# Altium PCB PCB1.PcbDoc (part 3 of 3)
Units mm, origin at the board's own origin, x right, y up, seen from the top; angles counter-clockwise.
Board outline 129.78 x 54 mm, 4 copper layers (Top Layer, Mid-Layer 1, Mid-Layer 2, Bottom Layer), stack 0.202 mm thick; 119 components, 96 nets, 472 pads, 1341 vias.
Unrouted connection lines stored in the file: 18.
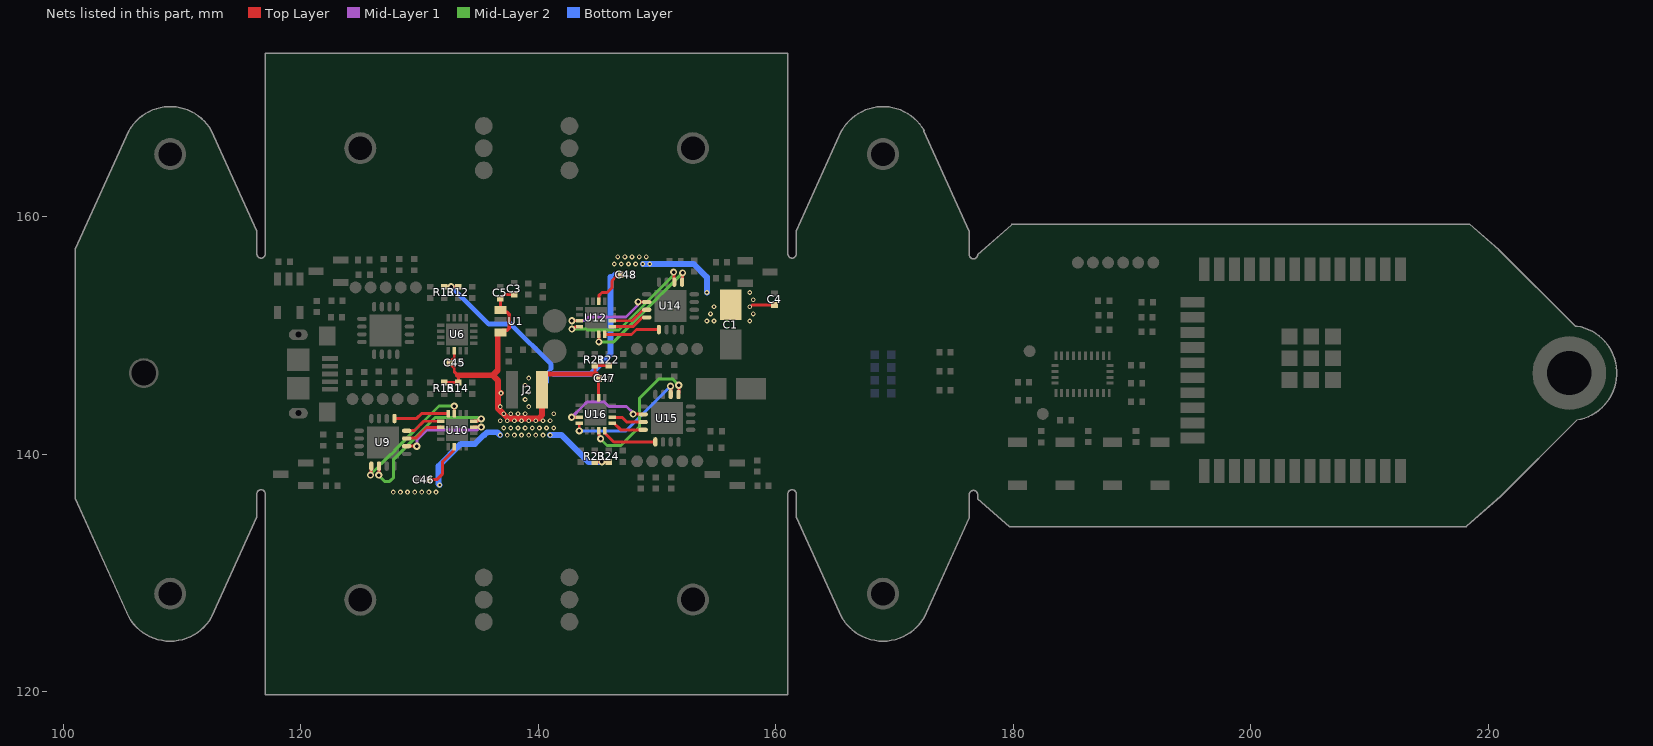
[diagram p5: the nets of this part, all layers, seen from the top]

## Via types
v1: diameter 0.6, hole 0.3, Top Layer to Bottom Layer, tented both sides, 1080 vias
v2: diameter 0.4, hole 0.2, Top Layer to Bottom Layer, tented both sides, 210 vias
v3: diameter 0.5, hole 0.3, Top Layer to Bottom Layer, 32 vias
v4: diameter 0.5, hole 0.3, Top Layer to Bottom Layer, tented both sides, 15 vias
v5: diameter 0.8, hole 0.4, Top Layer to Bottom Layer, tented both sides, 4 vias

## Nets (pads, with @x,y where several pads share a name; then routed paths per layer and width w, separated by ;. In a path a pad name is that pad's centre, name@x,y a point inside that pad or via, vN(x,y) a via of type N, cw(c..) or ccw(c..) an arc to the next point about the centre after c; other vN are vias at no path point) (continued)
NetU9_1: U9.1 U10.15 | length 10.8
  Top Layer w0.25: v1(125.884,138.23) 125.914,138.26 125.914,138.85 U9.1@125.934,138.87 ; U10.15@132.933,143.399 v1(132.933,144.039)
  Mid-Layer 2 w0.25: v1(125.884,138.23) 125.884,138.272 127.597,139.986 127.655,139.986 127.934,140.264 127.934,140.322 131.651,144.039 v1(132.933,144.039)
NetU9_2: U9.2 U10.12 | length 13.4
  Top Layer w0.25: v1(126.584,138.23) U9.2@126.584,138.87 ; U10.12@134.584,142.771 134.602,142.789 134.937,142.789 135.115,142.967 v1(135.209,142.967)
  Mid-Layer 1 w0.25: v1@126.584,138.187 v1(126.584,138.23)
  Mid-Layer 2 w0.25: v1@126.584,138.187 127.066,137.705 127.501,137.705 127.834,138.037 127.834,139.568 131.365,143.099 134.888,143.099 134.953,143.034 135.143,143.034 v1(135.209,142.967)
NetU9_6: U9.6 U10.11 | length 7.8
  Top Layer w0.25: U9.6@129.031,140.678 129.035,140.674 129.767,140.674 v1(129.778,140.662) ; U10.11@134.568,142.264 134.57,142.265 135.208,142.265 v1(135.209,142.267)
  Mid-Layer 1 w0.25: v1(129.778,140.662) 129.79,140.673 129.79,141.191 130.624,142.025 134.872,142.025 135.114,142.267 v1(135.209,142.267)
NetU9_7: U9.7 U10.2@131.798,142.264 | length 3.3
  Top Layer w0.25: U9.7@128.909,141.336 129.696,141.336 130.6,142.239 131.773,142.239 U10.2@131.798,142.264
NetU9_8: U9.8 U10.1@131.798,142.764 | length 3.2
  Top Layer w0.25: U9.8@128.909,141.986 129.596,141.986 130.375,142.764 U10.1@131.798,142.764
NetU9_9: U9.9 U10.16 | length 4.7
  Top Layer w0.25: U9.9@127.884,143.011 129.778,143.011 130.192,143.424 132.408,143.424 U10.16@132.433,143.399
NetU12_1: U12.1 U14.8 | length 3.2
  Top Layer w0.25: U12.1@146.247,150.724 147.987,150.724 148.746,151.484 149.117,151.484 U14.8@149.137,151.503
NetU12_2: U12.2 U14.7 | length 3.3
  Top Layer w0.25: U12.2@146.247,151.224 147.905,151.224 148.815,152.134 149.117,152.134 U14.7@149.137,152.153
NetU12_11: U12.11 U14.6 | length 7.6
  Top Layer w0.25: v1(142.834,151.224) U12.11@143.477,151.224 ; v1(148.412,152.808) 148.415,152.806 149.001,152.806 U14.6@149.004,152.808
  Mid-Layer 1 w0.25: v1@142.834,151.228 v1(142.834,151.224) 143.94,151.224 144.265,151.549 147.401,151.549 148.353,152.502 148.353,152.749 v1(148.412,152.808) v1@148.395,152.826
NetU12_12: U12.12 U14.2 | length 12.2
  Top Layer w0.25: v1(142.836,150.522) 142.93,150.522 143.108,150.699 143.443,150.699 U12.12@143.461,150.717 ; v1(151.402,155.318) 151.442,155.278 151.442,154.638 U14.2@151.462,154.619
  Mid-Layer 2 w0.25: v1(142.836,150.522) 144.043,150.522 144.115,150.449 146.796,150.449 151.335,154.989 151.335,155.252 v1(151.402,155.318)
NetU12_15: U12.15 U14.1 | length 10.7
  Top Layer w0.25: v1(145.112,149.449) U12.15@145.112,150.089 ; U14.1@152.112,154.619 152.131,154.638 152.131,155.228 v1(152.162,155.259)
  Mid-Layer 2 w0.25: v1(145.112,149.449) 146.352,149.449 150.112,153.209 ; 150.112,153.225 150.39,153.503 ; 150.406,153.503 v1(152.162,155.259)
NetU12_16: U12.16 U14.9 | length 4.7
  Top Layer w0.25: U12.16@145.612,150.089 145.637,150.064 147.853,150.064 148.267,150.478 U14.9@150.162,150.478
NetU15_1: U15.1 U16.15 | length 12
  Top Layer w0.25: U16.15@145.091,141.82 145.116,141.795 145.116,141.541 145.183,141.474 145.183,141.361 v1(145.25,141.294) ; v1(151.833,145.796) 151.835,145.794 151.835,145.164 U15.1@151.837,145.162
  Mid-Layer 2 w0.25: v1(145.25,141.294) 145.25,141.269 145.803,140.716 146.957,140.716 148.517,142.276 148.517,144.676 150.174,146.333 151.295,146.333 v1(151.833,145.796)
NetU15_2: U15.2 U16.12 | length 10.4
  Top Layer w0.25: v1(143.456,141.956) U16.12@143.456,142.596 ; v1(151.138,145.711) 151.168,145.681 151.168,145.181 U15.2@151.187,145.162
  Bottom Layer w0.25: v1(143.456,141.956) 147.383,141.956 v1(151.138,145.711)
NetU15_6: U15.6 U16.11 | length 7.6
  Top Layer w0.25: v1(142.816,143.096) U16.11@143.456,143.096 ; v1(147.992,143.369) 148.004,143.358 148.735,143.358 U15.6@148.739,143.354
  Mid-Layer 1 w0.25: v1(142.816,143.096) 143.733,144.013 143.736,144.013 144.094,144.371 145.587,144.371 145.945,144.013 147.44,144.013 147.992,143.461 v1(147.992,143.369)
NetU15_7: U15.7 U16.2@146.226,143.096 | length 2.8
  Top Layer w0.25: U16.2@146.226,143.096 147.054,143.096 147.454,142.696 U15.7@148.862,142.696
NetU15_8: U15.8 U16.1@146.226,142.596 | length 2.9
  Top Layer w0.25: U16.1@146.226,142.596 146.391,142.596 146.941,142.046 U15.8@148.862,142.046
NetU15_9: U15.9 U16.16 | length 5
  Top Layer w0.25: U16.16@145.591,141.961 145.591,141.796 146.366,141.021 149.887,141.021 U15.9@149.887,141.219
VBAT: C1.1 C3.1 C4.1 C5.1 C45.1 C46.1 C47.1 C48.1 J2.1 R12.2 R13.2 R14.2 R15.2 R21.2 R22.2 R23.2 R24.2 U1.1 U1.3 U6.6 U10.6 U12.6 U16.6 | length 94.5
  Top Layer w0.25: C46.1@130.832,137.85 131.463,137.85 131.961,138.348 131.961,139.369 132.808,140.216 ccw(c132.507,140.518) 132.933,140.518 U10.6@132.933,140.629 ; R13.2@132.023,154.083 v1(132.663,154.083) ; R15.2@132.088,146.019 R14.2@133.274,146.019 133.274,146.599 132.933,146.939 132.933,147.239 C45.1@132.519,147.653 ; R13.2@132.088,154.085 R12.2@133.274,154.085 ; C45.1@132.519,147.678 132.519,147.703 132.762,147.946 132.787,147.946 132.933,148.092 U6.6@132.933,148.695 ; U1.1@136.82,152.131 C5.1@136.82,153.107 136.845,153.107 137.174,153.436 C3.1@137.972,153.436 ; J2.1@140.335,145.415 140.335,146.353 J2.1@140.72,146.738 ; 142.815,146.738 142.826,146.749 ; R23.2@144.75,139.341 R24.2@145.936,139.341 ; U16.6@145.091,144.731 145.091,146.58 144.921,146.749 144.771,146.899 R21.2@144.771,147.469 R22.2@145.958,147.469 ; U12.6@145.112,152.859 145.137,152.884 145.137,153.374 145.362,153.599 145.805,153.599 146.202,153.997 146.202,154.585 146.6,154.982 C48.1@146.796,154.982 ; v1(145.361,139.343) R24.2@146.001,139.343 ; v2(157.8,152.4) 157.84,152.4 158.001,152.56 C4.1@159.893,152.56
  Top Layer w0.3: U1.3@136.82,150.231 137.02,150.431 137.391,150.431 137.57,150.611 137.57,151.752 137.391,151.931 137.02,151.931 U1.1@136.82,152.131
  Top Layer w0.4: J2.1@140.72,146.738 142.815,146.738 ; 142.826,146.749 144.921,146.749
  Top Layer w0.5: 133.236,146.636 136.181,146.636 ; U1.3@136.82,150.231 136.695,150.231 136.595,150.131 136.595,147.05 136.181,146.636 ; v2(136.864,145.135) 136.606,145.135 ; J2.1@140.335,145.415 140.335,143.295 140.042,143.002 137.453,143.002 136.606,143.849 136.606,145.135 ; 136.181,146.636 136.606,146.211 136.606,145.135
  Bottom Layer w0.25: v1(132.663,154.083) v1@132.697,154.083 ; 140.783,146.021 140.783,146.907 141.083,147.206 ; 146.1,154.917 146.437,155.254
  Bottom Layer w0.4: v1@132.697,154.083 135.833,150.948 137.703,150.948 141.083,147.569 141.083,147.206
  Bottom Layer w0.5: v2(131.7,137.4) 131.609,137.491 131.609,138.986 133.486,140.864 134.686,140.864 135.439,141.617 135.478,141.617 135.7,141.839 136.56,141.839 v2(136.8,141.6) ; v2(141,141.6) 141.97,141.6 144.227,139.343 v1(145.361,139.343) ; 141.3,146.738 144.419,146.738 146.1,148.419 146.1,154.917 ; v2(148.8,156) v2(149.4,156) 153.092,156 154.2,154.892 v2(154.2,153.6)
  other v2: 127.8,136.8 128.4,136.8 129,136.8 129.6,136.8 130.2,136.8 130.8,136.8 131.4,136.8 137.4,141.6 138,141.6 138.6,141.6 139.2,141.6 139.8,141.6 140.4,141.6 137.1,142.2 137.7,142.2 138.3,142.2 138.9,142.2 139.5,142.2 140.1,142.2 140.7,142.2 141.3,142.2 136.8,142.8 137.4,142.8 138,142.8 138.6,142.8 139.2,142.8 139.8,142.8 140.4,142.8 141,142.8 137.1,143.4 137.7,143.4 138.3,143.4 138.9,143.4 141.3,143.4 136.8,144 139.2,144 138.9,144.6 139.2,145.2 138.9,145.8 139.2,146.4 154.2,151.2 154.8,151.2 157.8,151.2 154.5,151.8 158.1,151.8 154.8,152.4 158.1,153 157.8,153.6 146.4,156 147,156 147.6,156 148.2,156 146.7,156.6 147.3,156.6 147.9,156.6 148.5,156.6 149.1,156.6
pads on no net: J1.4 M1. M2. M3. M4. U3.1 U3.4 U3.7 U3.8 U3.12 U3.13 U3.14 U3.15 U3.16 U3.18 U3.21 U3.22 U3.23 U3.24 U3.27 U4.4 U4.5 U4.6 U4.7 U4.8 U4.9 U4.10 U4.16 U4.17 U4.18 U4.19 U4.20 U4.21 U4.22 U4.28 U4.30 U4.31 U4.32 U4.37 U6.5 U8.4 U8.14 U8.15 U9.4 U9.14 U9.15 U10.5 U12.5 U14.4 U14.14 U14.15 U15.4 U15.14 U15.15 U16.5
copper on no net: | length 34.6
  Top Layer w0.25: 142.633,129.619 142.633,129.958 ; 143.147,138.776 142.2,139.723 142.2,143.223 142.598,143.621 143.431,143.621 143.456,143.596
  Top Layer w0.254: 134.804,163.025 135.444,163.665 135.444,163.83
  Top Layer w0.3: 142.633,129.958 143.147,130.472 143.147,138.776
  Mid-Layer 2 w0.25: 134.908,135.448 134.908,135.549 ; 134.908,138.819 134.908,139.015 ; 144.272,168.325 143.137,167.19 143.137,157.988 143.137,157.949 143.137,157.099 143.137,154.389 144.319,153.207 145.805,153.207

## Polygon pours and split planes (outlines as drawn)
+3.3V on Mid-Layer 2 "NONET_L-01_P-001" (solid, pour order 37): 117.133,157.099 117.023,156.988 117.023,136.449 212.801,136.449 212.852,136.398 212.946,136.492 212.946,157.122
NetM3_3 on Mid-Layer 2 "NONET_L-01_P-001" (solid, pour order 58): 146.247,151.224 146.247,152.224 146.437,152.414 146.437,155.254 149.137,155.254 149.137,152.311 148.097,151.271
GND on Mid-Layer 2 "NONET_L-01_P-001" (solid, pour order 8): 161.15,158.149 161.15,173.873 116.895,173.877 116.895,157.949 132.185,157.949 132.22,157.984 132.22,159.543 132.45,159.543 133.191,160.284 133.212,160.263 145.086,160.263 145.861,159.488 145.861,158.149
GND on Mid-Layer 2 "NONET_L-01_P-001" (solid, pour order 7): 117.023,135.349 117.023,119.626 161.023,119.622 161.023,135.549 145.86,135.549 145.825,135.514 145.825,133.956 145.595,133.956 144.854,133.215 144.833,133.236 132.959,133.236 132.184,134.011 132.184,135.349
NetM2_3 on Mid-Layer 2 "NONET_L-01_P-001" (solid, pour order 55): 131.798,142.264 131.798,140.924 131.798,138.86 129.905,138.86 129.905,141.336 130.808,142.239
NetM4_2 on Mid-Layer 2 "NONET_L-01_P-001" (solid, pour order 47): 145.091,144.371 144.091,144.371 143.816,144.096 141.905,144.096 141.905,146.487 145.091,146.487
NetM1_3 on Mid-Layer 2 "NONET_L-01_P-001" (solid, pour order 39): 129.507,150.863 129.507,146.939 132.633,146.939 132.633,148.505 131.608,149.53 131.608,150.863
no net on Top Paste "NONET_L-01_P-001" (solid): 173.323,148.084 173.323,145.415 cw(c169.023,145.415) 164.724,145.301 164.726,148.246 cw(c169.023,148.084)
GND on Top Layer "NONET_L-01_P-001" (solid, remove dead copper, pour order 36): 117.133,157.099 117.023,156.988 117.023,136.449 212.801,136.449 212.852,136.398 212.946,136.492 212.946,157.122
NetM4_3 on Top Layer "NONET_L-01_P-001" (solid, pour order 52): 148.517,142.563 148.517,145.751 148.117,146.151 145.391,146.151 145.391,144.921 146.966,144.921 146.966,143.096
NetM4_2 on Top Layer "NONET_L-01_P-001" (solid, pour order 51): 145.091,144.731 144.091,144.731 143.456,144.096 141.905,144.096 141.905,146.487 145.091,146.487
+3.3V on Top Layer "NONET_L-01_P-001" (solid, pour order 70): 137.27,152.981 137.27,151.181 140.245,151.181 140.817,151.753 140.817,153.274 140.753,153.274 140.117,153.911 138.222,153.911 138.222,153.261 138.422,153.061
VBAT on Top Layer "NONET_L-01_P-001" (solid, pour order 65): 138.43,147.177 141.762,147.177 141.762,143.846 141.762,140.998 136.327,140.998 136.327,147.177
NetM1_2 on Top Layer "NONET_L-01_P-001" (solid, pour order 41): 133.564,148.695 133.933,148.695 134.568,149.33 136.119,149.33 136.119,146.939 133.564,146.939
GND on Top Layer "NONET_L-01_P-001" (solid, pour order 31): 117.023,135.349 117.023,119.626 161.023,119.622 161.023,135.549 145.86,135.549 145.825,135.514 145.825,133.956 145.595,133.956 144.854,133.215 144.833,133.236 132.959,133.236 132.184,134.011 132.184,135.349
GND on Top Layer "NONET_L-01_P-001" (solid, pour order 32): 161.15,158.149 161.15,173.873 116.895,173.877 116.895,157.949 132.185,157.949 132.22,157.984 132.22,159.543 132.45,159.543 133.191,160.284 133.212,160.263 145.086,160.263 145.861,159.488 145.861,158.149
NetM2_2 on Top Layer "NONET_L-01_P-001" (solid, pour order 54): 135.786,141.739 135.786,139.722 134.908,138.845 134.908,138.524 134.648,138.784 132.254,138.784 132.254,139.524 133.183,140.454 133.183,141.739
VBAT on Top Layer "NONET_L-01_P-001" (solid, pour order 69): 153.924,154.178 154.178,153.924 158.521,153.924 158.521,150.768 157.475,150.768 153.762,150.768
VBAT on Top Layer "NONET_L-01_P-001" (solid, pour order 67): 145.5,154.2 147.012,154.2 147.012,154.806 147.61,155.405 149.7,155.405 149.733,155.372 149.765,155.404 149.765,157.025 145.978,157.025 145.567,156.614 145.567,154.932
VBAT on Top Layer "NONET_L-01_P-001" (solid, pour order 63): 130.357,137.4 131.383,138.524 131.383,140.699 131.608,140.924 133.433,140.924 133.433,140.516 132.143,139.226 132.143,136.452 127.402,136.452 127.402,137.4
NetM2_3 on Top Layer "NONET_L-01_P-001" (solid, pour order 56): 131.798,142.264 131.798,141.264 131.458,140.924 131.458,138.86 129.905,138.86 129.905,141.336 130.808,142.239
NetM3_3 on Top Layer "NONET_L-01_P-001" (solid, pour order 60): 146.258,151.213 146.258,152.213 146.754,152.708 146.754,154.389 148.405,154.389 148.405,151.804 147.855,151.253
NetM3_2 on Top Layer "NONET_L-01_P-001" (solid, pour order 59): 142.259,151.749 142.259,153.95 143.137,154.828 143.137,154.965 143.397,154.705 146.02,154.705 146.02,153.964 144.956,152.9 144.956,151.749
NetM1_3 on Top Layer "NONET_L-01_P-001" (solid, pour order 42): 129.507,150.863 129.507,146.939 132.171,146.939 132.171,148.967 131.608,149.53 131.608,150.33
GND on Mid-Layer 1 "NONET_L-01_P-001" (solid, pour order 35): 117.133,157.099 117.023,156.988 117.023,136.449 212.801,136.449 212.852,136.398 212.946,136.492 212.946,157.122
GND on Mid-Layer 1 "NONET_L-01_P-001" (solid, pour order 30): 161.15,158.149 161.15,173.873 116.895,173.877 116.895,157.949 132.185,157.949 132.22,157.984 132.22,159.543 132.45,159.543 133.191,160.284 133.212,160.263 145.086,160.263 145.861,159.488 145.861,158.149
GND on Mid-Layer 1 "NONET_L-01_P-001" (solid, pour order 29): 117.023,135.349 117.023,119.626 161.023,119.622 161.023,135.549 145.86,135.549 145.825,135.514 145.825,133.956 145.595,133.956 144.854,133.215 144.833,133.236 132.959,133.236 132.184,134.011 132.184,135.349
NetM3_2 on Mid-Layer 1 "NONET_L-01_P-001" (solid, pour order 57): 142.259,151.749 142.259,153.95 143.137,154.828 143.137,154.965 143.397,154.705 145.978,154.705 145.978,153.78 145.112,153.78 145.112,151.749
NetM4_3 on Mid-Layer 1 "NONET_L-01_P-001" (solid, pour order 48): 148.517,142.563 148.517,146.487 145.391,146.487 145.391,144.921 146.416,143.896 146.416,143.096
NetM2_2 on Mid-Layer 1 "NONET_L-01_P-001" (solid, pour order 53): 135.786,141.514 135.786,139.722 134.908,138.845 134.908,138.524 134.648,138.784 132.254,138.784 132.254,139.524 133.183,139.524 133.183,141.514
NetM1_2 on Mid-Layer 1 "NONET_L-01_P-001" (solid, pour order 40): 132.933,148.695 133.933,148.695 134.568,149.33 136.119,149.33 136.119,146.939 132.933,146.939
no net on Bottom Solder "NONET_L-01_P-001" (solid): 221.023,157.049 222.598,155.474 222.598,138.045 222.61,138.033 221.027,136.449 221.023,136.449
GND on Bottom Layer "NONET_L-01_P-001" (solid, remove dead copper, pour order 38): 117.133,157.099 117.023,156.988 117.023,136.449 212.801,136.449 212.852,136.398 212.946,136.492 212.946,157.122
GND on Bottom Layer "NONET_L-01_P-001" (solid, pour order 34): 161.15,158.149 161.15,173.873 116.895,173.877 116.895,157.949 132.185,157.949 132.22,157.984 132.22,159.543 132.45,159.543 133.191,160.284 133.212,160.263 145.086,160.263 145.861,159.488 145.861,158.149
GND on Bottom Layer "NONET_L-01_P-001" (solid, pour order 33): 117.023,135.349 117.023,119.626 161.023,119.622 161.023,135.549 145.86,135.549 145.825,135.514 145.825,133.956 145.595,133.956 144.854,133.215 144.833,133.236 132.959,133.236 132.184,134.011 132.184,135.349
VBAT on Bottom Layer "NONET_L-01_P-001" (solid, pour order 68): 153.762,153.924 154.178,153.924 158.521,153.924 158.521,150.768 157.475,150.768 153.762,150.768
VBAT on Bottom Layer "NONET_L-01_P-001" (solid, pour order 66): 145.5,154.2 147.012,154.2 147.012,154.806 147.61,155.405 149.7,155.405 149.733,155.372 149.765,155.404 149.765,157.025 145.978,157.025 145.567,156.614 145.567,154.932
VBAT on Bottom Layer "NONET_L-01_P-001" (solid, pour order 62): 130.357,137.4 131.383,138.524 132.143,138.524 132.143,136.452 127.402,136.452 127.402,137.4
VBAT on Bottom Layer "NONET_L-01_P-001" (solid, pour order 64): 138.43,147.177 141.762,147.177 141.762,143.846 141.762,140.998 136.327,140.998 136.327,147.177
no net on Top Solder "NONET_L-01_P-001" (solid): 221.023,157.049 222.598,155.474 222.598,138.045 222.61,138.033 221.027,136.449 221.023,136.449

## Keep-outs
Top Layer:
  rectangle: 175.51,143.733 178.522,149.802
  rectangle: 159.51,143.733 162.535,149.766
Bottom Layer:
  rectangle: 175.51,143.733 178.522,149.804
  rectangle: 159.523,143.694 162.535,149.766
Keep-Out Layer:
  lines w0.1: 101.023,156.337 116.443,156.591 ; 116.967,156.661 116.977,151.132 ; 116.992,142.367 117.002,136.754 ; 117.023,136.449 132.185,136.432 ; 117.023,157.099 132.185,157.099 ; 134.185,157.099 135.656,157.099 ; 134.185,136.429 135.533,136.428 ; 137.656,157.099 140.389,157.099 ; 142.389,157.099 143.86,157.099 ; 142.516,136.42 143.86,136.418 ; 145.86,136.416 161.023,136.398 ; 145.86,157.099 161.023,157.099 ; 161.035,156.766 161.074,151.767 ; 161.09,149.767 161.138,143.695 ; 161.154,141.695 161.191,136.948 ; 176.988,136.42 220.819,136.271 ; 177.223,156.991 220.941,157.131 220.895,136.338 ; 222.598,155.474 222.688,138.115 ; 135.657,159.32 cw(c136.657,159.32) 137.657,159.32 ; 135.658,159.32 135.656,157.296 135.655,155.772 ccw(c136.655,155.772) 137.655,155.772 137.656,157.296 137.658,159.32 ; 135.657,159.32 135.658,159.32 ; 137.657,159.32 137.658,159.32 ; 140.39,159.227 cw(c141.39,159.227) 142.39,159.227 ; 140.39,159.227 140.389,157.203 140.388,155.679 ccw(c141.388,155.679) 142.388,155.679 142.389,157.203 142.39,159.227 ; 140.39,159.227 140.39,159.227 ; 142.39,159.227 142.39,159.227 ; 143.862,159.263 cw(c144.862,159.263) 145.862,159.263 ; 143.862,159.263 143.861,157.239 143.859,155.715 ccw(c144.859,155.715) 145.859,155.715 145.861,157.239 145.862,159.263 ; 143.862,159.263 143.862,159.263 ; 145.862,159.263 145.862,159.263 ; 101.023,136.249 105.558,126.249 ccw(c109.023,128.249) 112.487,126.249 112.521,126.312 116.323,134.704 116.323,136.652 cw(c116.673,136.652) 117.023,136.652 117.023,119.749 161.023,119.749 161.023,136.652 cw(c161.373,136.652) 161.723,136.652 161.723,134.706 165.558,126.249 ccw(c169.023,128.249) 172.487,126.249 176.288,134.642 176.288,136.59 cw(c176.638,136.59) 176.988,136.59 176.988,136.249 179.678,133.894 179.657,133.869 218.134,133.869 218.168,133.944 221.023,136.449 227.442,142.869 ccw(c226.798,146.821) 227.445,150.772 227.43,150.772 227.3,150.772 220.865,157.207 218.398,159.367 179.879,159.367 179.845,159.292 176.99,156.787 176.988,156.785 cw(c176.638,156.785) 176.288,156.785 176.288,158.73 172.452,167.187 172.487,167.249 ccw(c169.023,165.249) 165.558,167.249 165.524,167.187 161.723,158.795 161.723,156.847 cw(c161.373,156.847) 161.023,156.847 161.023,173.749 117.023,173.749 117.023,156.847 cw(c116.673,156.847) 116.323,156.847 116.323,158.793 112.487,167.249 ccw(c109.023,165.249) 105.558,167.249 105.524,167.187 101.023,157.249 101.023,136.249 ; 112.522,142.367 112.522,151.132 117.023,151.132 117.023,142.367 112.522,142.367 ; 132.184,134.236 ccw(c133.184,134.236) 134.184,134.236 134.184,134.236 134.185,136.26 134.186,137.784 ccw(c133.186,137.784) 132.186,137.784 132.185,136.26 132.184,134.236 ; 132.184,155.736 ccw(c133.184,155.736) 134.184,155.736 134.185,157.26 134.186,159.284 134.186,159.284 ccw(c133.186,159.284) 132.186,159.284 132.186,159.284 132.185,157.26 132.184,155.736 ; 135.531,133.304 ccw(c136.658,133.304) 136.658,132.176 141.387,132.176 ccw(c141.387,133.304) 142.514,133.304 142.514,134.662 ccw(c142.388,134.679) 142.515,134.678 142.517,137.727 ccw(c141.39,137.727) 141.39,138.854 136.662,138.854 ccw(c136.662,137.727) 135.534,137.727 135.533,136.226 ccw(c135.658,136.203) 135.531,136.203 135.531,133.304 ; 143.859,134.215 ccw(c144.859,134.215) 145.859,134.215 145.859,134.215 145.86,136.239 145.861,137.763 ccw(c144.861,137.763) 143.861,137.763 143.86,136.239 143.859,134.215 ; 159.487,149.768 cw(c159.487,150.768) 159.487,151.768 161.011,151.767 162.535,151.766 cw(c162.535,150.766) 162.535,149.766 161.011,149.767 159.487,149.768 ; 159.523,141.696 cw(c159.523,142.696) 159.523,143.696 161.047,143.695 162.571,143.694 cw(c162.571,142.694) 162.571,141.694 161.047,141.695 159.523,141.696 ; 175.474,149.804 cw(c175.474,150.804) 175.474,151.804 176.998,151.803 178.522,151.802 cw(c178.522,150.802) 178.522,149.802 176.998,149.803 175.474,149.804 ; 175.51,141.733 cw(c175.51,142.733) 175.51,143.733 177.034,143.732 178.558,143.731 cw(c178.558,142.731) 178.558,141.731 177.034,141.732 175.51,141.733 ; 179.033,139.192 cw(c180.333,139.192) 180.333,140.492 cw(c180.333,139.192) 181.633,139.192 cw(c180.333,139.192) 180.333,137.892 cw(c180.333,139.192) 179.033,139.192 ; 183.033,139.192 ccw(c184.333,139.192) 184.333,137.892 ccw(c184.333,139.192) 185.633,139.192 ccw(c184.333,139.192) 184.333,140.492 ccw(c184.333,139.192) 183.033,139.192 ; 187.033,139.192 cw(c188.333,139.192) 188.333,140.492 cw(c188.333,139.192) 189.633,139.192 cw(c188.333,139.192) 188.333,137.892 cw(c188.333,139.192) 187.033,139.192 ; 191.033,139.192 cw(c192.333,139.192) 192.333,140.492 cw(c192.333,139.192) 193.633,139.192 cw(c192.333,139.192) 192.333,137.892 cw(c192.333,139.192) 191.033,139.192 ; 213.772,138.016 220.222,138.016 220.222,156.116 213.772,156.116 213.772,138.016

## Other copper
Top Layer:
  pour cut-out: 212.946,162.049 227.968,162.049 228.092,161.925 227.965,161.798 227.965,128.016 227.838,127.889 215.9,127.889 212.946,127.889
  pour cut-out: 117.023,135.349 117.223,135.549 161.023,135.549 161.023,136.615 160.857,136.449 117.023,136.449
  pour cut-out: 116.895,157.949 117.023,157.822 117.023,135.349 116.195,135.349 116.323,135.477 116.323,157.949
  pour cut-out: 117.13,157.947 117.13,157.118 117.108,157.097 160.884,157.097 160.884,158.128 160.865,158.147
  pour cut-out: 160.823,141.696 160.823,136.615 161.357,137.149 161.809,137.149 161.809,141.684 161.798,141.695
  pour cut-out: 160.909,156.718 160.782,156.591 160.782,151.768 161.771,151.768 161.773,151.766 161.773,156.587
  pour cut-out: 161.832,157.48 162.177,157.48 176.16,157.48 176.16,156.603 176.045,156.718 161.832,156.718
  pour cut-out: 176.236,151.804 177.222,151.804 177.115,151.911 177.115,156.953 176.662,156.953 176.236,156.527
  pour cut-out: 176.272,137.149 176.741,137.149 177.034,136.856 177.034,141.732 176.277,141.732 176.276,141.733 176.272,141.729
  pour cut-out: 161.809,137.149 176.272,137.149 176.272,135.868 176.059,136.082 161.723,136.082
  text "S-BOT" at 111.083,141.986 h3.5 r90
Mid-Layer 1:
  rectangle net GND: 160.285,144.061 161.899,146.177
  rectangle net GND: 160.692,148.246 162.408,149.178
  pour cut-out: 116.895,157.949 117.023,157.822 117.023,135.349 116.195,135.349 116.323,135.477 116.323,157.949
  pour cut-out: 117.155,157.949 117.155,157.121 117.133,157.099 160.909,157.099 160.909,158.13 160.89,158.149
  pour cut-out: 117.023,135.349 117.223,135.549 161.023,135.549 161.023,136.615 160.857,136.449 117.023,136.449
  pour cut-out: 160.823,141.696 160.823,136.615 161.357,137.149 161.809,137.149 161.809,141.684 161.798,141.695
  pour cut-out: 160.909,156.718 160.782,156.591 160.782,151.768 161.771,151.768 161.773,151.766 161.773,156.587
  pour cut-out: 161.832,157.48 162.177,157.48 176.16,157.48 176.16,156.603 176.045,156.718 161.832,156.718
  pour cut-out: 176.236,151.804 177.222,151.804 177.115,151.911 177.115,156.953 176.662,156.953 176.236,156.527
  pour cut-out: 176.272,137.149 176.741,137.149 177.034,136.856 177.034,141.732 176.277,141.732 176.276,141.733 176.272,141.729
  pour cut-out: 161.809,137.149 176.272,137.149 176.272,135.868 176.059,136.082 161.723,136.082
  pour cut-out: 212.946,162.049 227.968,162.049 228.092,161.925 227.965,161.798 227.965,128.016 227.838,127.889 215.9,127.889 212.946,127.889
Mid-Layer 2:
  rectangle net +3.3V: 160.692,144 161.666,147.812
  rectangle net +3.3V: 160.782,148.565 161.9,149.4
  pour cut-out: 161.809,137.149 176.272,137.149 176.272,135.868 176.059,136.082 161.723,136.082
  pour cut-out: 176.272,137.149 176.741,137.149 177.034,136.856 177.034,141.732 176.277,141.732 176.276,141.733 176.272,141.729
  pour cut-out: 176.236,151.804 177.222,151.804 177.115,151.911 177.115,156.953 176.662,156.953 176.236,156.527
  pour cut-out: 161.832,157.48 162.177,157.48 176.16,157.48 176.16,156.603 176.045,156.718 161.832,156.718
  pour cut-out: 160.909,156.718 160.782,156.591 160.782,151.768 161.771,151.768 161.773,151.766 161.773,156.587
  pour cut-out: 160.823,141.696 160.823,136.615 161.357,137.149 161.809,137.149 161.809,141.684 161.798,141.695
  pour cut-out: 117.023,135.349 117.223,135.549 161.023,135.549 161.023,136.615 160.857,136.449 117.023,136.449
  pour cut-out: 117.155,157.949 117.155,157.121 117.133,157.099 160.909,157.099 160.909,158.13 160.89,158.149
  pour cut-out: 116.895,157.949 117.023,157.822 117.023,135.349 116.195,135.349 116.323,135.477 116.323,157.949
  pour cut-out: 212.946,162.049 227.968,162.049 228.092,161.925 227.965,161.798 227.965,128.016 227.838,127.889 215.9,127.889 212.946,127.889
Bottom Layer:
  pour cut-out: 161.832,157.48 162.177,157.48 176.16,157.48 176.16,156.603 176.045,156.718 161.832,156.718
  pour cut-out: 176.236,151.804 177.222,151.804 177.115,151.911 177.115,156.953 176.662,156.953 176.236,156.527
  pour cut-out: 176.272,137.149 176.741,137.149 177.034,136.856 177.034,141.732 176.277,141.732 176.276,141.733 176.272,141.729
  pour cut-out: 161.809,137.149 176.272,137.149 176.272,135.868 176.059,136.082 161.723,136.082
  pour cut-out: 117.023,135.349 117.223,135.549 161.023,135.549 161.023,136.615 160.857,136.449 117.023,136.449
  pour cut-out: 160.823,141.696 160.823,136.615 161.357,137.149 161.809,137.149 161.809,141.684 161.798,141.695
  pour cut-out: 160.909,156.718 160.782,156.591 160.782,151.768 161.771,151.768 161.773,151.766 161.773,156.587
  pour cut-out: 117.155,157.949 117.155,157.121 117.133,157.099 160.909,157.099 160.909,158.13 160.89,158.149
  pour cut-out: 116.895,157.949 117.023,157.822 117.023,135.349 116.195,135.349 116.323,135.477 116.323,157.949
  pour cut-out: 159.523,143.694 162.568,143.694 162.571,143.698 162.535,143.735 162.535,149.766 159.523,149.766
  pour cut-out: 212.946,162.049 227.968,162.049 228.092,161.925 227.965,161.798 227.965,128.016 227.838,127.889 215.9,127.889 212.946,127.889

## Silkscreen, mask and mechanical layers (free items; w line width, h text height)
Top Overlay:
  text "IO0" at 185.024,155.506 h0.8 r270
  text "UTX" at 186.294,155.506 h0.8 r270
  text "URX" at 188.834,155.506 h0.8 r270
  text "GND" at 190.104,155.506 h0.8 r270
  text "3V3" at 191.374,155.506 h0.8 r270
  text "EN" at 187.557,155.36 h0.8 r270
  text "MKII" at 115.57,152.021 h2 r90
  text "SCL" at 179.008,148.155 h0.8
  text "SDA" at 179.816,142.975 h0.8
Bottom Overlay:
  text "MKII" at 121.498,171.851 h2
Top Paste:
  rectangle: 100.122,157.146 177.251,177.019
  rectangle: 99.568,115.98 176.698,135.853
  lines w0.254: 164.723,145.303 164.723,148.084 cw(c169.023,148.084) 173.323,148.084 173.323,145.415 cw(c169.023,145.415) 164.723,145.415
Top Solder:
  drawing of 21 lines, arcs and shapes, not listed
  text "S-BOT" at 177.57,154.918 h2.5
  text "S-BOT" at 111.083,141.982 h3.5 r90
Bottom Solder:
  rectangle: 134.15,133.309 135.534,136.462
  region: 221.023,157.689 177.025,157.689 177.025,156.909 221.023,156.909
  rectangle: 176.988,135.81 220.985,136.59
  rectangle: 175.768,143.77 178.308,149.804
  region: 162.306,149.729 159.766,149.729 159.766,143.694 162.306,143.694
  region: 143.939,160.151 142.432,160.151 142.432,157.099 143.939,157.099
  rectangle: 134.185,157.191 135.657,160.164
  rectangle: 142.477,133.416 143.861,136.373
  rectangle: 116.442,151.132 117.023,156.606
  rectangle: 116.495,136.957 116.999,142.355
  rectangle: 117.037,135.56 132.215,136.303
  rectangle: 145.731,135.621 160.909,136.321
  rectangle: 145.731,157.196 160.909,157.926
  rectangle: 117.037,157.19 132.215,157.883
  region: 116.365,136.932 101.092,136.932 101.092,135.972 116.365,135.972
  rectangle: 101.143,156.591 116.205,157.388
  rectangle: 161.782,156.747 176.205,157.353
  region: 176.365,136.939 161.895,136.939 161.895,136.144 176.365,136.144
  rectangle: 176.541,136.59 176.972,141.695
  rectangle: 176.479,151.803 176.95,156.785
  rectangle: 137.656,157.251 140.388,160.271
  rectangle: 160.983,151.698 161.488,156.679
  rectangle: 161.01,136.589 161.544,141.695
Mechanical 1:
  lines w0.254: 105.524,167.187 101.023,157.249 101.023,136.249 105.558,126.249 ccw(c109.023,128.249) 112.487,126.249 ; 105.558,167.249 cw(c109.023,165.249) 112.487,167.249 116.323,158.793 ; 112.521,126.312 116.323,134.704 116.323,136.652 cw(c116.673,136.652) 117.023,136.652 117.023,119.749 161.023,119.749 161.023,136.652 cw(c161.373,136.652) 161.723,136.652 161.723,134.704 ; 116.323,158.795 116.323,156.847 ccw(c116.673,156.847) 117.023,156.847 ; 132.186,159.284 cw(c133.186,159.284) 134.186,159.284 ; 132.186,159.284 132.185,157.26 132.184,155.736 ccw(c133.184,155.736) 134.184,155.736 134.185,157.26 134.186,159.284 ; 134.184,134.236 134.185,136.26 134.186,137.784 ccw(c133.186,137.784) 132.186,137.784 132.185,136.26 132.184,134.236 ccw(c133.184,134.236) 134.184,134.236 ; 135.658,136.203 135.658,133.304 ccw(c136.658,133.304) 136.658,132.304 141.387,132.304 ccw(c141.387,133.304) 142.387,133.304 142.387,135.553 ; 135.661,136.203 135.662,137.727 cw(c136.662,137.727) 136.662,138.727 141.39,138.727 cw(c141.39,137.727) 142.39,137.727 142.389,136.203 142.388,134.679 ; 145.859,134.215 145.86,136.239 145.861,137.763 ccw(c144.861,137.763) 143.861,137.763 143.86,136.239 143.859,134.215 ccw(c144.859,134.215) 145.859,134.215 ; 145.861,159.263 ccw(c144.861,159.263) 143.861,159.263 143.86,157.239 143.859,155.715 ccw(c144.859,155.715) 145.859,155.715 145.86,157.239 145.862,159.263 ; 161.723,134.706 165.558,126.249 ccw(c169.023,128.249) 172.487,126.249 176.288,134.642 176.288,136.59 cw(c176.638,136.59) 176.988,136.59 176.988,136.249 179.678,133.894 ; 165.524,167.187 161.723,158.795 161.723,156.847 cw(c161.373,156.847) 161.023,156.847 ; 165.558,167.249 cw(c169.023,165.249) 172.487,167.249 ; 172.452,167.187 176.288,158.73 ; 176.288,158.733 176.288,156.785 ccw(c176.638,156.785) 176.988,156.785 ; 176.99,156.787 179.845,159.292 179.879,159.367 218.398,159.367 220.865,157.207 227.3,150.772 227.43,150.772 227.435,150.767 ; 179.657,133.869 218.134,133.869 218.168,133.944 221.023,136.449 227.442,142.869 ccw(c226.798,146.821) 227.445,150.772 ; 221.023,136.454 221.027,136.449 ; 117.023,156.847 117.023,173.749 ; 117.023,156.847 117.023,173.749 ; 117.023,173.749 161.023,173.749 ; 117.023,173.749 161.023,173.749 ; 161.023,156.847 161.023,173.749 ; 161.023,156.847 161.023,173.749 ; 112.522,142.367 112.522,151.132 117.023,151.132 117.023,142.367 112.522,142.367 ; 135.655,155.772 ccw(c136.655,155.772) 137.655,155.772 137.656,157.296 137.658,159.32 ccw(c136.657,159.32) 135.657,159.32 135.656,157.296 135.655,155.772 ; 140.388,155.679 ccw(c141.388,155.679) 142.388,155.679 142.389,157.203 142.39,159.227 ccw(c141.39,159.227) 140.39,159.227 140.389,157.203 140.388,155.679 ; 159.487,149.768 cw(c159.487,150.768) 159.487,151.768 161.011,151.767 162.535,151.766 cw(c162.535,150.766) 162.535,149.766 161.011,149.767 159.487,149.768 ; 159.523,141.696 cw(c159.523,142.696) 159.523,143.696 161.047,143.695 162.571,143.694 cw(c162.571,142.694) 162.571,141.694 161.047,141.695 159.523,141.696 ; 175.474,149.804 cw(c175.474,150.804) 175.474,151.804 176.998,151.803 178.522,151.802 cw(c178.522,150.802) 178.522,149.802 176.998,149.803 175.474,149.804 ; 175.51,141.733 cw(c175.51,142.733) 175.51,143.733 177.034,143.732 178.558,143.731 cw(c178.558,142.731) 178.558,141.731 177.034,141.732 175.51,141.733 ; 213.772,138.016 220.222,138.016 220.222,156.116 213.772,156.116 213.772,138.016
Mechanical 2:
  circle w0.254: c119.808,150.049 r1.077
  circle w0.254: c119.808,143.449 r1.077
  circle w0.254: c169.023,128.253 r1
  circle w0.254: c169.023,165.253 r1
  circle w0.254: c109.023,165.253 r1
  circle w0.254: c109.023,128.253 r1
  circle w0.254: c226.798,146.821 r1.867
  circle w0.254: c192.333,139.192 r1.306
  circle w0.254: c188.333,139.192 r1.306
  circle w0.254: c184.333,139.192 r1.306
  circle w0.254: c180.333,139.192 r1.306
  lines w0.254: 102.257,135.353 115.189,135.353 ; 117.223,136.449 117.223,144.526 117.223,151.132 117.223,157.049 ; 117.223,157.072 132.148,157.072 132.147,155.723 ccw(c133.147,155.723) 133.147,154.723 136.608,154.723 ccw(c136.608,155.723) 137.608,155.723 ; 117.225,136.452 132.143,136.452 132.144,137.764 cw(c133.142,137.819) 133.142,138.819 142.494,138.819 ; 133.441,160.341 ccw(c125.023,165.739) 131.04,173.726 131.154,173.612 146.856,173.612 ccw(c153.023,165.739) 144.618,160.32 133.478,160.32 ; 133.927,132.301 cw(c125.023,127.749) 131.189,119.877 146.891,119.877 147.005,119.763 cw(c153.023,127.749) 144.119,132.302 ; 133.931,132.304 139.023,132.304 ; 137.619,155.759 137.62,157.072 ; 137.642,157.049 139.023,157.049 140.367,157.049 ; 140.389,157.027 140.388,155.679 ccw(c141.388,155.679) 141.442,154.68 144.903,154.68 ccw(c144.903,155.68) 145.901,155.735 145.902,157.047 ; 141.437,138.776 144.898,138.776 cw(c144.898,137.776) 145.898,137.776 145.897,136.427 160.801,136.427 ; 145.924,157.025 160.823,157.025 ; 159.474,143.77 159.474,149.804 cw(c159.474,150.804) 159.474,151.804 160.823,151.804 160.823,157.049 ; 159.51,143.733 ccw(c159.51,142.733) 159.51,141.733 160.823,141.732 160.823,136.449 ; 162.535,149.766 ccw(c162.535,150.766) 162.535,151.766 161.692,151.766 161.692,156.349 176.276,156.349 176.276,151.804 175.474,151.804 ccw(c175.474,150.804) 175.474,149.804 175.474,143.77 ; 162.571,149.729 162.571,143.694 cw(c162.571,142.694) 162.571,141.694 161.798,141.695 161.798,137.149 176.276,137.149 176.276,141.733 175.51,141.733 cw(c175.51,142.733) 175.51,143.733 ; 178.535,149.766 ccw(c178.535,150.766) 178.535,151.766 177.223,151.767 177.223,157.049 220.665,157.049 220.665,136.449 177.223,136.449 177.223,141.695 178.571,141.694 ccw(c178.571,142.694) 178.571,143.694 178.571,149.729 ; 222.754,138.18 227.442,142.869 ccw(c226.798,146.821) 227.445,150.772 ; 222.755,138.181 222.755,155.318 227.3,150.772 227.43,150.772 227.435,150.767 ; 112.487,126.253 cw(c109.023,128.253) 105.558,126.253 101.757,134.708 101.757,135.353 115.189,135.353 ; 112.487,126.253 115.189,132.209 ; 112.487,126.253 115.189,132.209 ; 115.189,132.209 115.189,135.353 ; 115.189,132.209 115.189,135.353 ; 139.023,132.304 144.115,132.304 139.023,132.304 ; 162.687,132.64 165.558,126.253 ; 162.687,132.64 165.558,126.253 ; 162.687,132.64 162.687,135.853 ; 162.687,132.64 162.687,135.853 ; 162.687,135.853 176.323,135.853 ; 162.687,135.853 176.323,135.853 ; 165.558,126.253 ccw(c169.023,128.253) 172.487,126.253 176.323,134.707 176.323,135.853 ; 101.223,137.149 101.223,156.349 116.323,156.349 116.323,151.132 112.522,151.132 112.522,142.367 116.323,142.367 116.323,137.149 101.223,137.149 ; 101.723,157.949 115.57,157.949 115.57,160.395 112.487,167.253 ccw(c109.023,165.253) 105.558,167.253 101.723,158.798 101.723,157.949 ; 162.687,157.653 162.687,160.924 165.558,167.253 cw(c169.023,165.253) 172.487,167.253 176.288,158.798 176.288,157.653 162.687,157.653 ; 165.523,145.389 ccw(c169.023,145.389) 172.523,145.389 172.523,148.058 ccw(c169.023,148.058) 165.523,148.058 165.523,145.389 ; 213.772,138.016 220.222,138.016 220.222,156.116 213.772,156.116 213.772,138.016
  text "Aluminium BOTTOM STIFFENERS" at 188.872,161.694 h0.8
Mechanical 3:
  circle w0.254: c169.023,128.253 r1
  circle w0.254: c109.023,128.253 r1
  circle w0.254: c109.023,165.253 r1
  circle w0.254: c169.023,165.253 r1
  circle w0.254: c153.023,165.753 r1
  circle w0.254: c125.023,165.753 r1
  circle w0.254: c153.023,127.753 r1
  circle w0.254: c125.023,127.753 r1
  lines w0.254: 102.257,135.353 115.189,135.353 ; 117.223,135.353 132.184,135.353 132.184,134.239 ccw(c133.184,134.239) 133.184,133.239 135.661,133.239 135.661,133.11 ccw(c136.439,133.11) 136.439,132.332 141.607,132.332 ccw(c141.607,133.108) 142.383,133.108 cw(c142.494,133.108) 142.494,133.219 144.854,133.219 ; 117.223,135.357 117.223,127.653 117.223,120.153 160.822,120.153 ; 117.223,165.653 117.223,173.357 ; 117.223,166.751 117.223,157.949 132.185,157.949 132.186,158.787 ; 117.223,173.353 160.822,173.353 160.822,165.853 160.822,158.149 ; 132.186,159.287 cw(c133.186,159.287) 133.186,160.287 144.861,160.267 cw(c144.861,159.267) 145.861,159.267 145.861,158.153 160.822,158.153 ; 144.859,133.219 ccw(c144.859,134.219) 145.859,134.219 145.86,135.553 148.632,135.553 ; 148.202,135.553 160.822,135.553 ; 160.822,120.149 160.822,127.853 160.822,135.557 ; 176.019,135.549 162.687,135.549 ; 112.487,126.253 cw(c109.023,128.253) 105.558,126.253 101.757,134.708 101.757,135.353 115.189,135.353 ; 112.487,126.253 115.189,132.209 ; 112.487,126.253 115.189,132.209 ; 115.189,132.209 115.189,135.353 ; 115.189,132.209 115.189,135.353 ; 162.687,132.64 162.687,135.549 ; 162.687,132.64 165.558,126.253 ; 162.687,132.64 162.687,135.549 ; 162.687,132.64 165.558,126.253 ; 162.687,135.549 176.323,135.549 176.323,134.707 172.487,126.253 cw(c169.023,128.253) 165.558,126.253 ; 101.723,157.949 115.57,157.949 115.57,160.395 112.487,167.253 ccw(c109.023,165.253) 105.558,167.253 101.723,158.798 101.723,157.949 ; 134.326,125.883 ccw(c135.412,125.883) 136.499,125.883 136.499,129.623 ccw(c135.412,129.623) 134.326,129.623 134.326,125.883 ; 134.326,163.9 ccw(c135.412,163.9) 136.499,163.9 136.499,167.64 ccw(c135.412,167.64) 134.326,167.64 134.326,163.9 ; 141.546,125.9 ccw(c142.633,125.9) 143.719,125.9 143.719,129.64 ccw(c142.633,129.64) 141.546,129.64 141.546,125.9 ; 141.546,163.9 ccw(c142.633,163.9) 143.719,163.9 143.719,167.64 ccw(c142.633,167.64) 141.546,167.64 141.546,163.9 ; 162.687,158.153 162.687,160.924 165.558,167.253 cw(c169.023,165.253) 172.487,167.253 176.288,158.798 176.288,158.153 162.687,158.153 ; 164.923,145.415 ccw(c169.023,145.415) 173.123,145.415 173.123,148.084 ccw(c169.023,148.084) 164.923,148.084 164.923,145.415
  text "Aluminium TOP STIFFENERS" at 133.373,112.926 h0.8

## Text inside footprints (layer, text, board x,y; h text height)
D1: Drill Guide "Require cutout in pcb" at 190.458,136.692 h0.25 r90
D2: Drill Guide "Require cutout in pcb" at 186.533,136.842 h0.25 r90
D3: Drill Guide "Require cutout in pcb" at 182.458,136.692 h0.25 r90
D4: Drill Guide "Require cutout in pcb" at 178.458,136.692 h0.25 r90
M1: Top Overlay "v4" at 129.764,167.542 h1.3 r90; Top Overlay "PCBMotor" at 131.441,163.187 h1.2 r90
M2: Top Overlay "PCBMotor" at 131.441,125.169 h1.2 r90; Top Overlay "v4" at 129.764,129.524 h1.3 r90
M3: Top Overlay "PCBMotor" at 146.604,168.319 h1.2 r270; Top Overlay "v4" at 148.282,163.964 h1.3 r270
M4: Top Overlay "PCBMotor" at 146.604,130.315 h1.2 r270; Top Overlay "v4" at 148.282,125.961 h1.3 r270